# Altium PCB IK-1.PCBDOC (continued)
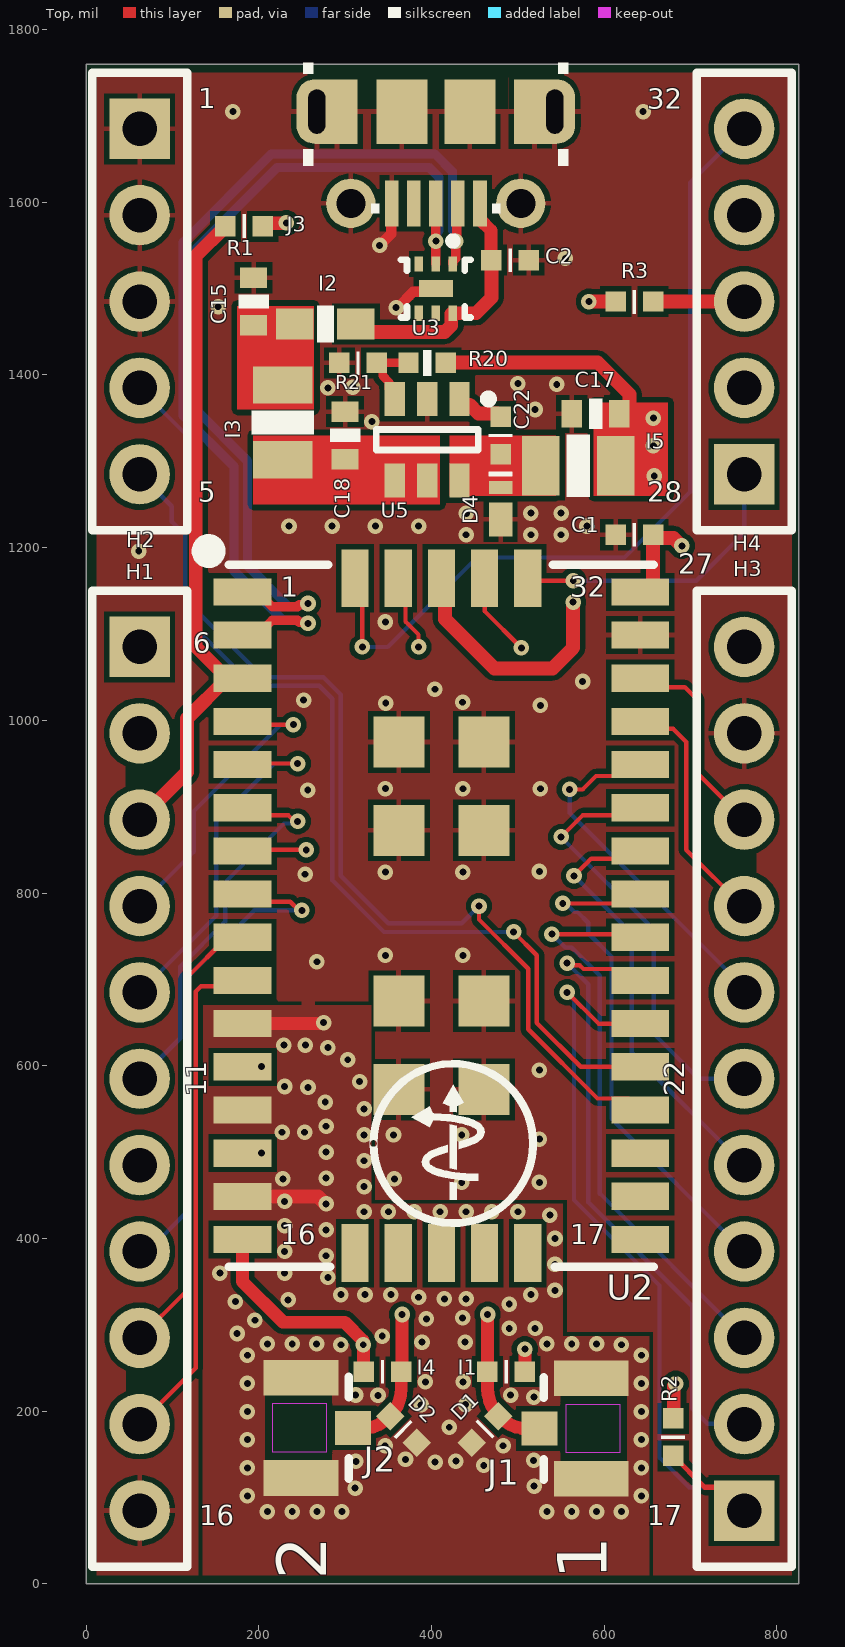
[diagram p0: Top view]
## Part data
C1 C2: "CAP CER .10UF 50V X7R 10% 0402", Capacitance=0.1µF, Manufacturer="TDK Corporation", Manufacturer Part Number=C1005X7R1H104K, Operating Temperature="-55°C ~ 125°C", Package / Case="0402 (1005 Metric)", Ratings=-, Supplier Part Number 1=445-5932-1-ND, Temperature Coefficient=X7R, Tolerance=±10%, Voltage - Rated=50V, Applications="General Purpose", Category=Capacitors, ComponentLink1Description=http://www.tdk.co.jp/tefe02/e412_c.pdf, ComponentLink1URL=http://www.tdk.co.jp/tefe02/e412_c.pdf, Features=-, Height=-, LatestRevisionDate=17-Jul-2002, LatestRevisionNote="Re-released for DXP Platform.", Lead Spacing=-, Lead Style=-, Mounting Type="Surface Mount, MLCC", Packaging="Cut Tape (CT)", Pricing 1="1=0.3, 10=0.2, 100=0.08, 250=0.05752, 500=0.041, 1000=0.03 (USD)", Published=8-Jun-2000, Publisher="Altium Limited", RoHS="RoHS Compliant", Size / Dimension="0.039\" L x 0.020\" W (1.00mm x 0.50mm)", Stock 1=174080, Supplier 1=Digi-Key, Thickness="0.022\" (0.55mm)"
C15 C18: "CAP CER 2.2UF 25V X6S 0603", Capacitance=2.2uF, Case Code (Imperial)=0603, Case Code (Metric)=1608, Dielectric=X6S, Manufacturer=Murata, Manufacturer Part Number=GRT188C81E225KE13D, Max Operating Temperature=105°C, Min Operating Temperature=-55°C, Supplier Part Number 1=490-12293-6-ND, Tolerance=10%, Voltage Rating=25V, Case/Package=0603, Category=Capacitors, ComponentLink1Description=http://www.farnell.com/datasheets/2165949.pdf, ComponentLink1URL=http://www.farnell.com/datasheets/2165949.pdf, ComponentLink2Description=http://search.murata.co.jp/Ceramy/image/img/A01X/G101/ENG/GRT188C81E225KE13-01.pdf, ComponentLink2URL=http://search.murata.co.jp/Ceramy/image/img/A01X/G101/ENG/GRT188C81E225KE13-01.pdf, LatestRevisionDate=17-Jul-2002, LatestRevisionNote="Re-released for DXP Platform.", Length=0.063inch, Mount="Surface Mount", Packaging="Tape and Reel", Pricing 1="1=0.35, 10=0.239, 100=0.1355, 500=0.09564, 1000=0.08369 (USD)", Published=8-Jun-2000, Publisher="Altium Limited", Stock 1=16854, Supplier 1=Digi-Key, Thickness=0.035inch, Voltage Rating (DC)=25V, Width=0.031inch
C17: "CAP CER 22UF 6.3V X6S 0603", Capacitance=22uF, Case Code (Imperial)=0603, Case Code (Metric)=1608, Dielectric=X6S, Manufacturer=Murata, Manufacturer Part Number=GRM188C80J226ME15D, Max Operating Temperature=105°C, Min Operating Temperature=-55°C, Package Quantity=4000, Supplier Part Number 1=490-10471-6-ND, Tolerance=20%, Voltage Rating=6.3V, Case/Package=0603, Category=Capacitors, ComponentLink1Description=http://www.mouser.com/ds/2/281/c02e-2905.pdf, ComponentLink1URL=http://www.mouser.com/ds/2/281/c02e-2905.pdf, ComponentLink2Description=http://search.murata.co.jp/Ceramy/image/img/A01X/partnumbering_e_01.pdf, ComponentLink2URL=http://search.murata.co.jp/Ceramy/image/img/A01X/partnumbering_e_01.pdf, Height=0.8mm, LatestRevisionDate=17-Jul-2002, LatestRevisionNote="Re-released for DXP Platform.", Lead Free="Lead Free", Length=0.063inch, Mount="Surface Mount", Packaging="Tape and Reel", Pricing 1="1=0.25, 10=0.168, 100=0.0955, 500=0.0674, 1000=0.05897 (USD)", Published=8-Jun-2000, Publisher="Altium Limited", Stock 1=0, Supplier 1=Digi-Key, Termination=SMD/SMT, Thickness=0.039inch, Voltage Rating (DC)=6.3V, Weight=0.000222oz, Width=0.8mm
C22: "CAP CER 0.1UF 50V X7R 0402", Capacitance=0.1uF, Case Code (Imperial)=0402, Case Code (Metric)=1005, Dielectric=X7R, Manufacturer=TDK, Manufacturer Part Number=CGA2B3X7R1H104K050BB, Max Operating Temperature=125°C, Min Operating Temperature=-55°C, Package Quantity=1, Ratings=AEC-Q200, Supplier Part Number 1=445-6899-1-ND, Tolerance=10%, Voltage=50V, Case/Package=0402, Category=Capacitors, ComponentLink1Description=https://datasheet.ciiva.com/16498/mlccspec-automotive-general-midvoltage-en-16498528.pdf?src-supplier=Future+Electronics, ComponentLink1URL=https://datasheet.ciiva.com/16498/mlccspec-automotive-general-midvoltage-en-16498528.pdf?src-supplier=Future+Electronics, ComponentLink2Description=https://datasheet.ciiva.com/24216/cga2b3x7r1h104k050bb-266281-24216070.pdf?src-supplier=Mouser, ComponentLink2URL=https://datasheet.ciiva.com/24216/cga2b3x7r1h104k050bb-266281-24216070.pdf?src-supplier=Mouser, ComponentLink3Description=https://datasheet.ciiva.com/7975/1788388-7975306.pdf?src-supplier=Element14, ComponentLink3URL=https://datasheet.ciiva.com/7975/1788388-7975306.pdf?src-supplier=Element14, ComponentLink4Description=https://datasheet.ciiva.com/22703/1807242-22703013.pdf?src-supplier=Element14, ComponentLink4URL=https://datasheet.ciiva.com/22703/1807242-22703013.pdf?src-supplier=Element14, ComponentLink5Description=https://datasheet.ciiva.com/22725/1735392-22725627.pdf?src-supplier=Element14, ComponentLink5URL=https://datasheet.ciiva.com/22725/1735392-22725627.pdf?src-supplier=Element14, Composition=Ceramic, Depth=0.5mm, Height=0.5mm, LatestRevisionDate=17-Jul-2002, LatestRevisionNote="Re-released for DXP Platform.", Lead Free="Lead Free", Length=1mm, Mount="Surface Mount", Packaging="Tape and Reel", Pricing 1="1=0.16000, 10=0.11700, 100=0.05500, 500=0.03858, 1000=0.03194, 2500=0.02973, 5000=0.02720 (USD)", Published=8-Jun-2000, Publisher="Altium Limited", REACH SVHC="No SVHC", RoHS=Yes, Stock 1=12402793, Supplier 1=Digi-Key, Termination=SMD/SMT, Thickness=0.022inch, Voltage Rating=50V, Voltage Rating (DC)=50V, Weight=2.3E-05oz, Width=0.02inch
D1 D2: "LITTELFUSE - PESD0402-140 - DIODE, ESD PROTECTION, 0402, FULL REEL", Case/Package=0402, Clamping Voltage=40V, Manufacturer=Littelfuse, Manufacturer Part Number=PESD0402-140, Max Operating Temperature=125°C, Min Operating Temperature=-55°C, Operating Supply Voltage=14V, Power Line Protection=No, Resistor Type=Zener, Supplier Part Number 1=PESD0402-140CT-ND, Category="TVS Diodes", ComponentLink1Description=https://datasheet.ciiva.com/58684/-58684341.pdf?src-supplier=Digi-Key, ComponentLink1URL=https://datasheet.ciiva.com/58684/-58684341.pdf?src-supplier=Digi-Key, Direction=Bidirectional, Lead Free="Lead Free", Mount="Surface Mount", Number of Bidirectional Channels=1, Number of Pins=2, Packaging="Tape and Reel", Pricing 1="1=0.40000, 10=0.32100, 100=0.22900, 500=0.17400, 1000=0.13737, 2000=0.13279, 5000=0.12821 (USD)", REACH SVHC=Unknown, Reverse Standoff Voltage=14V, RoHS=No, Stock 1=211482, Supplier 1=Digi-Key, Turn-On Delay Time=1ns, Working Voltage=14V
D4: "DIODE SCHOTTKY 30V 2A 0603", Manufacturer=Vishay, Manufacturer Part Number=VSKY20301608-G4-08, Supplier Part Number 1=VSKY20301608-G4-08GICT-ND, ComponentLink1Description=http://www.mouser.com/ds/2/427/vsky20301608-777242.pdf, ComponentLink1URL=http://www.mouser.com/ds/2/427/vsky20301608-777242.pdf, Pricing 1="1=0.38, 10=0.305, 25=0.2792, 100=0.2076, 250=0.1882, 500=0.15574, 1000=0.1168, 2500=0.10707 (USD)", Stock 1=13064, Supplier 1=Digi-Key
H1 H3: "11 pin header"
H2 H4: "5 pin header"
I1 I4: "Inductor RF Chip Wirewound 120nH 5% 100MHz 20Q-Factor 110mA 2.66Ohm DCR 0402 Paper T/R", Case Code (Imperial)=0402, Case Code (Metric)=1005, Current Rating=110mA, DC Resistance (DCR)=2.66R, Inductance=120nH, Inductance Tolerance=5%, Manufacturer=Murata, Manufacturer Part Number=LQW15ANR12J00D, Max Operating Temperature=125°C, Min Operating Temperature=-55°C, Package Quantity=10000, Self Resonant Frequency=1GHz, Supplier Part Number 1=490-4091-1-ND, Test Frequency=100MHz, Case/Package=0402, Category="Fixed Inductors", ComponentLink1Description=http://search.murata.co.jp/Ceramy/image/img/PDF/ENG/L0075S0083LQG15HS.pdf, ComponentLink1URL=http://search.murata.co.jp/Ceramy/image/img/PDF/ENG/L0075S0083LQG15HS.pdf, ComponentLink2Description=https://datasheet.ciiva.com/11799/0900766b8090d800-11799096.pdf?src-supplier=RSComponents, ComponentLink2URL=https://datasheet.ciiva.com/11799/0900766b8090d800-11799096.pdf?src-supplier=RSComponents, ComponentLink3Description=https://datasheet.ciiva.com/1042/l0075s0080lqw15a-00-1042180.pdf?src-supplier=Digi-Key, ComponentLink3URL=https://datasheet.ciiva.com/1042/l0075s0080lqw15a-00-1042180.pdf?src-supplier=Digi-Key, ComponentLink4Description=https://datasheet.ciiva.com/1042/l0075s0080lqw15a-00-1042181.pdf?src-supplier=Digi-Key, ComponentLink4URL=https://datasheet.ciiva.com/1042/l0075s0080lqw15a-00-1042181.pdf?src-supplier=Digi-Key, ComponentLink5Description=https://datasheet.ciiva.com/1042/l0075s0080lqw15a-00-1042182.pdf?src-supplier=Digi-Key, ComponentLink5URL=https://datasheet.ciiva.com/1042/l0075s0080lqw15a-00-1042182.pdf?src-supplier=Digi-Key, ComponentLink6Description=https://datasheet.ciiva.com/16207/l0075s0080lqw15a-00-16207819.pdf?src-supplier=Future+Electronics, ComponentLink6URL=https://datasheet.ciiva.com/16207/l0075s0080lqw15a-00-16207819.pdf?src-supplier=Future+Electronics, ComponentLink7Description=https://datasheet.ciiva.com/8506/l0075s0080lqw15a-00-8506030.pdf?src-supplier=Avnet, ComponentLink7URL=https://datasheet.ciiva.com/8506/l0075s0080lqw15a-00-8506030.pdf?src-supplier=Avnet, Core Material=Air,Ferrite, DC Current=110mA, Depth=0.6mm, Height=0.5mm, Lead Free="Lead Free", Length=1mm, Max DC Current=110mA, Military Standard=Not, Mount="Surface Mount", Number of Pins=2, Packaging="Tape and Reel", Pricing 1="1=0.15000, 10=0.13500, 25=0.12000, 50=0.10200, 100=0.09000, 250=0.08252, 500=0.07500, 1000=0.06300, 2500=0.05400 (USD)", Radiation Hardening=No, REACH SVHC="No SVHC", RoHS=Yes, Shielding=Unshielded, Stock 1=2053, Supplier 1=Digi-Key, Termination=SMD/SMT, Tolerance=5%, Weight=2.8E-05oz, Width=0.02inch
I2: "FERRITE CHIP 220 OHM 2500MA 0603", Current Rating=2.5A, DC Resistance (DCR)="40 mOhm Max", Impedance @ Frequency="220 Ohm @ 100MHz", Manufacturer="Murata Electronics North America", Manufacturer Part Number=BLM18SG221TN1D, Package / Case="0603 (1608 Metric)", Supplier Part Number 1=490-5225-1-ND, Category=Filters, ComponentLink1Description=http://search.murata.co.jp/Ceramy/image/img/PDF/ENG/L0110S0100BLM18S.pdf, ComponentLink1URL=http://search.murata.co.jp/Ceramy/image/img/PDF/ENG/L0110S0100BLM18S.pdf, Filter Type="Differential Mode - Single", Height (Max)="0.037\" (0.95mm)", Mounting Type="Surface Mount", Packaging="Cut Tape (CT)", Pricing 1="1=0.14, 10=0.116, 50=0.075, 100=0.0646, 250=0.05172, 500=0.04654, 1000=0.03878, 5000=0.03619 (USD)", RoHS="RoHS Compliant", Size / Dimension="0.063\" L x 0.031\" W (1.60mm x 0.80mm)", Stock 1=146728, Supplier 1=Digi-Key
I3 I5: "FIXED IND 2.2UH 1.2A 110 MOHM", Case Code (Imperial)=0806, Case Code (Metric)=2016, Current Rating=1.2A, DC Resistance (DCR)=137.5mR, Inductance=2.2uh, Manufacturer=TDK, Manufacturer Part Number=MLP2016H2R2MT0S1, Max Operating Temperature=125°C, Min Operating Temperature=-40°C, Package Quantity=3000, Supplier Part Number 1=445-15724-6-ND, Test Frequency=2MHz, Tolerance=20%, Case/Package=0806, ComponentLink1Description=https://datasheet.ciiva.com/29697/inductor-commercial-power-mlp-en-29697725.pdf, ComponentLink1URL=https://datasheet.ciiva.com/29697/inductor-commercial-power-mlp-en-29697725.pdf, ComponentLink2Description=https://datasheet.ciiva.com/29697/inductor-commercial-power-mlp-en-29697726.pdf, ComponentLink2URL=https://datasheet.ciiva.com/29697/inductor-commercial-power-mlp-en-29697726.pdf, Core Material=Ferrite, Height - Seated (Max)=0.039inch, Lead Free="Lead Free", Length=0.079inch, Mount="Surface Mount", Packaging="Tape and Reel", Pricing 1="1=0.38, 10=0.335, 100=0.2302, 500=0.19674, 1000=0.1507 (USD)", Shielding=Unshielded, Stock 1=14048, Supplier 1=Digi-Key, Width=0.063inch
J1 J2: "CONN UMC RCPT STR 50 OHM SMD", Dielectric Material=-, Frequency - Max=6GHz, Housing Color=Gold, Manufacturer="Emerson Network Power Connectivity Johnson", Manufacturer Part Number=128-0711-201, Operating Temperature="-40°C ~ 90°C", Supplier Part Number 1=J983CT-ND, Voltage Rating=200V, Body Finish=Gold, Body Material=-, Cable Group=-, Category="Connectors, Interconnects", Center Contact Material=-, Center Contact Plating=Gold, ComponentLink1Description=http://media.digikey.com/pdf/Data%20Sheets/Emerson%20PDFs/UMC%20Product%20Catalog.pdf, ComponentLink1URL=http://media.digikey.com/pdf/Data%20Sheets/Emerson%20PDFs/UMC%20Product%20Catalog.pdf, Connector Style="Ultra Miniature Coaxial", Connector Type="Receptacle, Male Pins", Contact Termination=Solder, Fastening Type=Snap-On, Features=-, Impedance="50 Ohm", Ingress Protection=-, Mounting Type="Surface Mount", Packaging="Cut Tape (CT)", Pricing 1="1=0.93, 10=0.832, 50=0.784, 100=0.672, 250=0.576, 500=0.544, 750=0.48, 1000=0.448 (USD)", RoHS="RoHS Compliant", Shield Termination=Solder, Stock 1=1514, Supplier 1=Digi-Key
J3: "CONN USB AB 4POS", Colour=Black, Current Rating=1.8A, Flammability Rating="UL94 V-0", Insulation Resistance=1GR, Manufacturer="Amphenol FCI", Manufacturer Part Number=10118194-0001LF, Max Operating Temperature=85°C, Max Voltage Rating (AC)=100V, Min Operating Temperature=-55°C, Package Quantity=9600, Supplier Part Number 1=609-4618-1-ND, ComponentLink1Description=https://datasheet.ciiva.com/851/10118194-851110.pdf, ComponentLink1URL=https://datasheet.ciiva.com/851/10118194-851110.pdf, ComponentLink2Description=https://datasheet.ciiva.com/851/10118194-851111.pdf, ComponentLink2URL=https://datasheet.ciiva.com/851/10118194-851111.pdf, ComponentLink3Description=https://datasheet.ciiva.com/4598/10118194ac-197217-4598807.pdf, ComponentLink3URL=https://datasheet.ciiva.com/4598/10118194ac-197217-4598807.pdf, ComponentLink4Description=https://datasheet.ciiva.com/29907/10118194-29907230.pdf, ComponentLink4URL=https://datasheet.ciiva.com/29907/10118194-29907230.pdf, ComponentLink5Description=https://datasheet.ciiva.com/26945/getdatasheetpartid-418619-26945695.pdf, ComponentLink5URL=https://datasheet.ciiva.com/26945/getdatasheetpartid-418619-26945695.pdf, Connector Type=USB,Receptacle, Contact Material="Copper Alloy", Contact Plating=Gold, Depth=5mm, Features=Shielded, Gender=Receptacle, Housing Material=Polymer, Lead Free="Lead Free", Length=8.05mm, Mount="Surface Mount,Horizontal", Number of Contacts=5, Number of Ports=1, Number of Terminals=5, Orientation="Right Angle", Packaging="Tape and Reel", Pitch=0.65mm, Pricing 1="1=0.48, 10=0.447, 25=0.402, 50=0.3574, 100=0.3424, 250=0.31264, 500=0.29776 (USD)", Radiation Hardening=No, Stock 1=77572, Supplier 1=Digi-Key, Termination=Solder
R1 R3: "1 kOhms ¡À1% 0.063W, 1/16W Chip Resistor 0402 (1005 Metric) Moisture Resistant Thick Film", Case Code (Imperial)=0402, Case Code (Metric)=1005, Manufacturer=Yageo, Manufacturer Part Number=RC0402FR-071KL, Max Operating Temperature=155°C, Max Power Dissipation=63mW, Min Operating Temperature=-55°C, Power Rating=62.5mW, Resistance Tolerance=1%, Resistor Type="Thick Film", Supplier Part Number=311-1.00KLRTR-ND, Temperature Coefficient=100ppm/°C, Voltage Rating=50V, Case/Package=0402, Category="Chip SMD Resistors", ComponentLink1Description=https://datasheet.ciiva.com/11819/0900766b80c66297-11819477.pdf?src-supplier=Rs, ComponentLink1URL=https://datasheet.ciiva.com/11819/0900766b80c66297-11819477.pdf?src-supplier=Rs, ComponentLink2Description=https://datasheet.ciiva.com/7983/1018594-7983502.pdf?src-supplier=Element14, ComponentLink2URL=https://datasheet.ciiva.com/7983/1018594-7983502.pdf?src-supplier=Element14, ComponentLink3Description=https://datasheet.ciiva.com/22747/1018594-22747513.pdf?src-supplier=Element14, ComponentLink3URL=https://datasheet.ciiva.com/22747/1018594-22747513.pdf?src-supplier=Element14, ComponentLink4Description=https://datasheet.ciiva.com/12666/pyu-rc0402-51-rohs-l-6-r-12666741.pdf?src-supplier=Mouser, ComponentLink4URL=https://datasheet.ciiva.com/12666/pyu-rc0402-51-rohs-l-6-r-12666741.pdf?src-supplier=Mouser, ComponentLink5Description=https://datasheet.ciiva.com/7849/1018594-7849869.pdf?src-supplier=Element14, ComponentLink5URL=https://datasheet.ciiva.com/7849/1018594-7849869.pdf?src-supplier=Element14, ComponentLink6Description=https://datasheet.ciiva.com/7849/1018594-7849871.pdf?src-supplier=Element14, ComponentLink6URL=https://datasheet.ciiva.com/7849/1018594-7849871.pdf?src-supplier=Element14, ComponentLink7Description=https://datasheet.ciiva.com/17063/pyu-rc0402-51-rohs-l-6-r-17063193.pdf?src-supplier=Future+Electronics, ComponentLink7URL=https://datasheet.ciiva.com/17063/pyu-rc0402-51-rohs-l-6-r-17063193.pdf?src-supplier=Future+Electronics, Construction=Rectangular, Depth=0.5mm, Features="Moisture Resistant", Height=0.32mm, Lead Free="Lead Free", Length=1mm, Military Standard=Not, Number of Terminations=2, Packaging="Tape and Reel", Pins=2, Pricing="10000=0.00261, 20000=0.00231, 30000=0.00216, 50000=0.00199, 100000=0.00179 (USD)", Reach SVHC Compliant=No, RoHS=Yes, RoHS Compliant=Yes, Series=RC, Stock=29757748, Supplier=Digi-Key, Technology="THICK FILM", Termination=SMD/SMT, Tolerance=1%, Voltage Rating (DC)=50V, Width=0.5mm
R2: "1 kOhms ¡À1% 0.063W, 1/16W Chip Resistor 0402 (1005 Metric) Moisture Resistant Thick Film", Case Code (Imperial)=0402, Case Code (Metric)=1005, Manufacturer="Stackpole Electronics", Manufacturer Part Number=RMCF0402FT10K0, Max Operating Temperature=155°C, Max Power Dissipation=63mW, Min Operating Temperature=-55°C, Power Rating=62.5mW, Resistance Tolerance=1%, Resistor Type="Thick Film", Supplier Part Number=RMCF0402FT10K0TR-ND, Temperature Coefficient=100ppm/°C, Voltage Rating=50V, Case/Package=0402, Category="Chip SMD Resistors", ComponentLink1Description=https://datasheet.ciiva.com/11819/0900766b80c66297-11819477.pdf?src-supplier=Rs, ComponentLink1URL=https://datasheet.ciiva.com/11819/0900766b80c66297-11819477.pdf?src-supplier=Rs, ComponentLink2Description=https://datasheet.ciiva.com/7983/1018594-7983502.pdf?src-supplier=Element14, ComponentLink2URL=https://datasheet.ciiva.com/7983/1018594-7983502.pdf?src-supplier=Element14, ComponentLink3Description=https://datasheet.ciiva.com/22747/1018594-22747513.pdf?src-supplier=Element14, ComponentLink3URL=https://datasheet.ciiva.com/22747/1018594-22747513.pdf?src-supplier=Element14, ComponentLink4Description=https://datasheet.ciiva.com/12666/pyu-rc0402-51-rohs-l-6-r-12666741.pdf?src-supplier=Mouser, ComponentLink4URL=https://datasheet.ciiva.com/12666/pyu-rc0402-51-rohs-l-6-r-12666741.pdf?src-supplier=Mouser, ComponentLink5Description=https://datasheet.ciiva.com/7849/1018594-7849869.pdf?src-supplier=Element14, ComponentLink5URL=https://datasheet.ciiva.com/7849/1018594-7849869.pdf?src-supplier=Element14, ComponentLink6Description=https://datasheet.ciiva.com/7849/1018594-7849871.pdf?src-supplier=Element14, ComponentLink6URL=https://datasheet.ciiva.com/7849/1018594-7849871.pdf?src-supplier=Element14, ComponentLink7Description=https://datasheet.ciiva.com/17063/pyu-rc0402-51-rohs-l-6-r-17063193.pdf?src-supplier=Future+Electronics, ComponentLink7URL=https://datasheet.ciiva.com/17063/pyu-rc0402-51-rohs-l-6-r-17063193.pdf?src-supplier=Future+Electronics, Construction=Rectangular, Depth=0.5mm, Features="Moisture Resistant", Height=0.32mm, Lead Free="Lead Free", Length=1mm, Military Standard=Not, Number of Terminations=2, Packaging="Tape and Reel", Pins=2, Pricing="10000=0.00261, 20000=0.00231, 30000=0.00216, 50000=0.00199, 100000=0.00179 (USD)", Reach SVHC Compliant=No, RoHS=Yes, RoHS Compliant=Yes, Series=RC, Stock=29757748, Supplier=Digi-Key, Technology="THICK FILM", Termination=SMD/SMT, Tolerance=1%, Voltage Rating (DC)=50V, Width=0.5mm
R20: "RES TF 30.9K OHM 1% 1/16W 0402", Manufacturer="Stackpole Electronics Inc", Manufacturer Part Number=RMCF0402FT30K9, Package / Case="0402 (1005 Metric)", Power (Watts)="0.063W, 1/16W", Resistance (Ohms)=30.9K, Supplier Part Number 1=RMCF0402FT30K9CT-ND, Temperature Coefficient=±100ppm/°C, Tolerance=±1%, Category=Resistors, ComponentLink1Description=http://www.seielect.com/Catalog/SEI-RMCF.pdf, ComponentLink1URL=http://www.seielect.com/Catalog/SEI-RMCF.pdf, Composition="Thick Film", Features=-, Height="0.016\" (0.40mm)", LatestRevisionDate=2-Dec-2009, Number of Terminations=2, Packaging="Cut Tape (CT)", Pricing 1="1=0.04, 10=0.025, 50=0.0138, 100=0.0105, 250=0.0078, 500=0.00576, 1000=0.00384 (USD)", RoHS="RoHS Compliant", Size / Dimension="0.039\" L x 0.020\" W (1.00mm x 0.50mm)", Stock 1=6328, Supplier 1=Digi-Key
R21: "RES 10.0K OHM 1/16W 1% 0402 SMD", Manufacturer=Yageo, Manufacturer Part Number=RC0402FR-0710KL, Package / Case="0402 (1005 Metric)", Power (Watts)="0.063W, 1/16W", Resistance (Ohms)=10K, Supplier Part Number 1=311-10.0KLRCT-ND, Temperature Coefficient=±100ppm/°C, Tolerance=±1%, Category=Resistors, ComponentLink1Description=http://www.yageo.com/documents/recent/PYu-RC0402_51_RoHS_L_6.pdf, ComponentLink1URL=http://www.yageo.com/documents/recent/PYu-RC0402_51_RoHS_L_6.pdf, Composition="Thick Film", Features=-, Height="0.014\" (0.35mm)", LatestRevisionDate=2-Dec-2009, Number of Terminations=2, Packaging="Cut Tape (CT)", Pricing 1="10=0.014, 50=0.0104, 100=0.0079, 250=0.00584, 500=0.00432, 1000=0.00288 (USD)", RoHS="RoHS Compliant", Size / Dimension="0.039\" L x 0.020\" W (1.00mm x 0.50mm)", Stock 1=5597980, Supplier 1=Digi-Key
U2: library part IS-GPX-1.0, "Inertial Sense GPX", Manufacturer="Inertial Sense", Manufacturer Part Number=IS-GPX-1, Supplier 1="Inertial Sense", Supplier Part Number 1=IS-GPX-1
U3: "ESD SUPPRESS 5.5V 36W 3-Line USB", Breakdown Voltage="6.5 V", Capacitance="0.7 pF", Clamping Voltage="18 V", Manufacturer="Vishay Semiconductors", Manufacturer Part Number=VBUS053AZ-HAF-GS08, Operating Temperature Range="- 40 C to + 125 C", Operating Voltage="5.5 V (Min)", Package / Case=LLP-75, Supplier Part Number 1=78-VBUS053AZ-HAF, Category="ESD Suppressors", ComponentLink1Description=http://www.vishay.com/docs/81845/vbus053a.pdf, ComponentLink1URL=http://www.vishay.com/docs/81845/vbus053a.pdf, Minimum Order Quantity=1, Packaging=Reel, Pricing 1="1=1.04, 10=0.918, 50=0.805, 100=0.689, 500=0.574, 1000=0.446, 3000=0.366, 9000=0.335 (AUD)", Product Category="Transient Voltage Suppressors", Reeling=True, RoHS="RoHS Compliant", RoHS - Mouser=Y, Series=VBUS053AZ-HAF, Stock 1=8176, Supplier 1=Mouser
U5: "IC BUCK ADJ 1.2A 6TSOT", Current - Output=1.2A, Frequency - Switching=1.4MHz, Manufacturer="Analog Devices Inc", Manufacturer Part Number=ADP2301AUJZ-R7, Operating Temperature="-40°C ~ 125°C", Package / Case="SOT-23-6 Thin, TSOT-23-6", Supplier Device Package=TSOT-6, Supplier Part Number 1=ADP2301AUJZ-R7CT-ND, Voltage - Input="3 V ~ 20 V", Voltage - Output="0.8 V ~ 17 V", Category="Integrated Circuits (ICs)", ComponentLink1Description=http://www.analog.com/static/imported-files/data_sheets/ADP2300_2301.pdf, ComponentLink1URL=http://www.analog.com/static/imported-files/data_sheets/ADP2300_2301.pdf, Mounting Type="Surface Mount", Number of Outputs=1, Output Type=Adjustable, Packaging="Cut Tape (CT)", Pricing 1="1=3.06, 25=2.4992, 100=2.244, 250=2.04, 500=1.785, 1000=1.53 (USD)", PWM Type="Current Mode", RoHS="RoHS Compliant", Stock 1=6699, Supplier 1=Digi-Key, Synchronous Rectifier=No, Type="Step-Down (Buck)"

## Via types
v1: diameter 18, hole 8, Top to Bottom, 190 vias

## Nets (pads, with @x,y where several pads share a name; then routed paths per layer and width w, separated by ;. In a path a pad name is that pad's centre, name@x,y a point inside that pad or via, vN(x,y) a via of type N, cw(c..) or ccw(c..) an arc to the next point about the centre after c; other vN are vias at no path point)
+3.3V: C1.1 C17.1 H3.11 I5.2 R1.1 R2.1 R3.1 R20.2 U2.32 | length 476
  Top w16: R1.1 208.27,1575.62 231.62,1575.62 v1(232,1576) ; R20.2@413.1,1414.5 592.5,1414.5 629.37,1377.63 629.37,1350 ; v1(582.28,1485) R3.1 ; U2.32 648.91,1148.82 656.65,1156.57 C1.1 660.46,1211.19 680.27,1211.19 689.46,1202 v1(690,1202) ; R2.1 680,194.85 680.62,195.46 680.62,229.08 683,231.46 v1(683,232)
  other v1: 658,1283 657,1318 657,1350
FB: R20.1 R21.2 U5.3 | length 81.7
  Top w10: R21.2 R20.1 ; R21.2@337.65,1414 343.46,1408.19 343.46,1398.97 350.79,1391.64 350.79,1384.06 U5.3@357.6,1377.24
G1/Rx2/RxCAN/SCL: H1.4 U2.4 | length 352.9
  Top w5: U2.4 185,995 v1(240,995)
  Bottom w5: H1.4 125,848 125,895 225,995 v1(240,995)
G2/Tx2TxCAN/SDA: H1.5 U2.5 | length 421
  Top w5: U2.5 182.36,950 v1(245,950)
  Bottom w5: H1.5 150.88,773.88 150.88,883.07 217.81,950 v1(245,950)
G3/Tx0: H3.8 U2.29 | length 282
  Top w5: U2.29 650.48,990.15 679.85,990.15 695,975 695,850 760,785 H3.8
G4/Rx0: H3.7 U2.28 | length 412.4
  Top w5: v1(560,920) 575,920 590.57,935.57 628.56,935.57 U2.28
  Bottom w5: v1(560,920) 560,892.67 762,690.67 H3.7
G5/SCLK: H1.9 U2.9 | length 523.6
  Top w5: H1.9 115,338 115,700.35 163.46,748.82 U2.9
G6/Rx1/MOSI: H1.6 U2.6 | length 452
  Top w5: U2.6 190,890 234.48,890 241.48,883 v1(245,883)
  Bottom w5: H1.6 109,632 109,715 161,767 161,812.38 229.14,880.51 242.51,880.51 v1(245,883)
G7/Tx1/MISO: H1.7 U2.7 | length 549.7
  Top w5: U2.7 182.36,850 v1(255,850)
  Top w8: U2.7@155,845 158.82,848.82 U2.7
  Mid1-Ver w5: H1.7 66.52,485 117,535.48 117,712 v1(255,850)
G8/C\S\: H1.8 U2.8 | length 587.2
  Top w5: U2.8 190,790 236.48,790 246.48,780 v1(250,780)
  Bottom w5: H1.8 70.98,385 119,433.02 119,704.35 194.65,780 v1(250,780)
G9/S\P\I\_\E\N\: H1.10 U2.10 | length 587.4
  Top w5: H1.10 127,250 127,686 133.16,692.16 174.52,692.16 U2.10
G10: H3.6 U2.27 | length 504.5
  Top w5: v1(550,865) 575,890 632.99,890 U2.27
  Bottom w5: v1(550,865) 657.56,757.44 657.56,636.78 709.33,585 H3.6
G11/SWDIO: H3.5 U2.26 | length 505.3
  Top w5: v1(565,820) 584.94,839.94 632.93,839.94 U2.26
  Bottom w5: v1(565,820) 631.82,753.18 631.82,615.18 H3.5
G12/SWO: H3.4 U2.25 | length 588.4
  Top w5: v1(552,788) 630.99,788 U2.25
  Bottom w5: v1(552,788) 555.46,788 565.4,778.06 568.94,778.06 581.46,765.54 581.46,753.54 608.35,726.65 608.35,538.66 H3.4
G13/DRDY: H3.3 U2.24 | length 668
  Top w5: v1(539.36,752.44) 638.19,752.44 U2.24
  Bottom w5: v1(539.36,752.44) 554.91,736.9 562.44,736.9 595,704.33 595,452 H3.3
G16/QDEC0.A: H4.1 U2.38 | length 342.6
  Top w5: U2.38 514.4,1161.67 v1(564.17,1161.67)
  Bottom w5: v1(564.17,1161.67) 706.67,1161.67 762,1217 H4.1
G17/QDEC0.B: H4.2 U2.39 | length 588.1
  Top w5: U2.39 461.5,1126.5 v1(504,1084)
  Mid1-Ver w5: v1(504,1084) 644,1084 715,1155 715,1338 H4.2
G18/QDEC1.A: H4.4 U2.41 | length 809.9
  Top w5: U2.41 369.92,1156.14 369.92,1114.39 385,1099.31 v1(385,1085)
  Mid1-Ver w5: v1(385,1085) 462.62,1085 557.93,1180.32 590.32,1180.32 684,1274 684,1479 750.95,1545.95 750.95,1573.95 H4.4
G19/QDEC1.B: H4.5 U2.42 | length 990.3
  Top w5: U2.42 320,1156.06 v1(320,1085)
  Mid1-Ver w5: H4.5@757.04,1680.04 H4.5
  Bottom w5: v1(320,1085) 349.27,1085 452.85,1188.58 623.58,1188.58 699.5,1264.5 699.5,1622.5 H4.5
G20/LNA-EN: H2.4 U2.20 | length 1228.6
  Top w5: v1(455,785) 455,769.34 512,712.34 512,642.28 592.21,562.07 628.56,562.07 U2.20
  Bottom w5: H2.4 124.5,1322.5 124.5,1226.39 125,1225.89 125,1129.79 204.79,1050 275,1050 295,1030 295,820 350,765 435,765 v1(455,785)
GND: C1.2 C2.2 C15.2 C17.2 C18.2 D1.2 D2.2 D4.A H1.11 H2.1 H2.2 H2.3 H3.10 J1.2 J1.3 J2.2 J2.3 J3.5 J3.6 J3.7 J3.8 J3.9 R21.1 U2.0 U2.11 U2.13 U2.15 U2.31 U3.7 U5.2 | length 304.6
  Top w12: v1(340,1550) 353.31,1563.31 353.31,1598.19 J3.5 ; v1(359,1478) 360.62,1478 378.78,1496.16 401.16,1496.16 U3.7 ; U5.2@397.02,1383.82 U5.2@397.25,1384.06
  Top w14.88: U2.11 272.98,648.82 274.16,650 v1(275,650)
  Top w16: U2.15 268.64,448.82 277.46,440 v1(278,440)
  other v1: 210.05,83.74 238.79,83.74 267.53,83.74 296.27,83.74 533.7,83.74 562.44,83.74 591.18,83.74 619.92,83.74 186.85,101.85 643.12,101.85 311.63,110.91 518.74,113.19 186.85,134.45 643.12,134.45 460.47,137.21 404.17,141.14 312.44,141.93 428.19,142.32 518.35,143.11 369.92,144.29 346.3,160.04 482.91,160.04 186.85,167.05 643.12,167.05 420.58,181.48 186.85,199.65 643.12,199.65 388.03,207.28 439.61,207.68 518.53,216.36 338.03,218.31 312.05,218.78 491.57,218.7 186.85,232.24 643.12,232.24 393,234 436.61,234 186.85,264.84 643.12,264.84 295,277 620,277 210.05,277.93 238.79,277.93 267,278 533.7,277.93 562.44,277.93 591.18,277.93 389,280 439,280 343,287 175,290 490,296 520,296 195.39,305.39 394,307 436,308 490,324 173,327 234,329 415,330 440,330 385,332 295,335 323,335 353,335 515,335 543,340 280,355 155,360 230,360 543,370 278,380 230,385 543,400 278,410 230,415 537,427 322,431 350,431 380,431 410,431 440,431 470,431 500,431 230,443 322,460 435,465 525,465 228,469 357,469 278,470 322,490 278,500 525,515 322,520 356,520 435,520 227,523 253,523 278,530 322,550 277,558 257,575 230,576 316.8,581.75 525,595 303,607 280,621 229,624 254,624 267.21,720.44 346.7,727.88 436.43,727.82 253.7,821.79 346.7,824.39 436.43,824.33 525,825 256.71,919.15 346.7,920.9 436.43,920.85 526.17,920.85 526.17,1017.3 347,1020 436,1021 251.82,1023.5 404,1036 575,1045 346.7,1113.93 61,1196 440,1215 515,1215 550,1215 235,1225 285,1225 335,1225 385,1225 580,1225 440.44,1239.64 515,1240 550,1240 331,1346 520,1360 280,1385 309,1386 545,1389 500,1390 153,1479 555,1535 170,1705 645,1705
GNSS1_ANT: D1.1 I1.2 J1.1 U2.12 | length 690.3
  Top w14.88: U2.12 181.36,599 v1(203,599) ; v1(465,312) 464.89,311.89 464.89,245.91 464.98,245.82 464.98,226.73 ccw(c512.22,226.73) 512.22,179.48 J1.1@520.88,179.48
  Mid1-Ver w9.45: v1(203,599) 203.09,598.91 227.09,598.91 ; 227,599 227.09,598.91 ; 428.86,378.99 cw(c429.31,343.31) 465,343 v1(465,312) ; 428.86,379.56 336.34,379.56 cw(c335.89,415.25) 300.2,415.56 300.2,415.92 300.2,556.87 ccw(c258.72,557.51) 259,599 236,599 235.91,598.91 227.09,598.91
GNSS1_PPS: H3.9 U2.30 | length 237.6
  Top w5: U2.30 652.14,1038.5 693.18,1038.5 707,1024.67 707,940 H3.9
GNSS2_ANT: D2.1 I4.2 J2.1 U2.14 | length 484.2
  Top w14.88: J2.1@309.09,179.48 317.73,179.48 ccw(c317.73,226.73) 364.98,226.73 I4.2 366,245.63 v1(366,312)
  Mid1-Ver w9.45: v1(203,499) 217.84,499 cw(c214.29,458.54) 254.9,459.16 254.9,359.42 255,352.7 ccw(c296.48,353.35) 298,311.89 365.89,311.89 v1(366,312)
GNSS2_PPS: H2.5 U2.21 | length 1099.5
  Top w5: v1(495,755) 522,728 522,649.67 572.85,598.82 U2.21
  Bottom w5: H2.5 99.12,1247.89 99.12,1230.14 115,1214.25 115,1118.36 193.36,1040 270,1040 285,1025 285,815 345,755 v1(495,755)
NetC22_1: C22.1 U5.1 | length 62.8
  Top w16: U5.1@432.4,1377.24 432.4,1369.37 436.21,1365.56 444.09,1365.56 454.18,1355.46 476.19,1355.46 C22.1
nRESET: H3.1 R2.2 U2.22 | length 914.6
  Top w5: v1(557.04,685.09) 593.31,648.82 U2.22
  Top w6: R2.2 716.3,112.05 734.95,112.05 H3.1
  Bottom w5: v1(557.04,685.09) 557.04,683.63 565,675.67 565,444.52 664,345.52 664,146.25 698.2,112.05 734.95,112.05 H3.1
SW: C22.2 D4.C I5.1 U5.6
SWCLK: H3.2 U2.23 | length 736.7
  Top w5: v1(557,719) 559.49,716.51 571.56,716.51 576,712.07 628.56,712.07 U2.23
  Bottom w5: v1(557,719) 581.5,694.5 581.5,442.17 702,321.67 702,203 719.5,185.5 761.5,185.5 H3.2
USB.D_N: H1.2 J3.2 U2.2 U3.1 | length 2159.4
  Top w10.7: U2.2 198.9,1098.82 209.3,1109.22 209.3,1109.7 215.56,1115.97 233.28,1115.97 244.74,1115.97 247,1113.72 255.6,1113.72 v1(257,1112.32) ; U3.1 424.69,1531.62 428,1534.94 v1(428,1555) 429.3,1556.3 429.3,1597.41 J3.2
  Mid1-Ver w7: H1.2 62,998.42 92.58,1029 107.82,1029 119.94,1041.12 119.94,1549.94 214,1644 363.2,1644 371,1636.2 371,1561.03 386.31,1545.72 394.53,1537.5 412.25,1537.5 428,1553.25 v1(428,1555)
  Bottom w10.7: v1(257,1112.32) 255.6,1113.72 247,1113.72 244.74,1115.97 228.15,1115.97 171.23,1172.89 171.23,1293.95 112.4,1352.77 112.4,1553.61 214.8,1656 403.83,1656 424.35,1635.49 424.35,1567.26 426.6,1565 426.6,1556.4 v1(428,1555)
USB.D_P: H1.1 J3.3 U2.1 U3.2 | length 2044
  Top w10.7: U2.1 198.9,1148.82 209.3,1138.42 209.3,1137.94 215.56,1131.67 226.78,1131.67 244.74,1131.67 247,1133.92 255.6,1133.92 v1(257,1135.32) ; U3.2 v1(405,1555) J3.3
  Mid1-Ver w7: H1.1 90.9,1056.1 90.9,1045.1 95,1041 102.85,1041 107.94,1046.09 107.94,1554.91 209.03,1656 368.17,1656 383,1641.17 383,1566 392.71,1556.29 403.71,1556.29 v1(405,1555)
  Bottom w10.7: v1(257,1135.32) 255.6,1133.92 247,1133.92 244.74,1131.67 234.65,1131.67 186.93,1179.39 186.93,1300.45 128.1,1359.27 128.1,1547.1 221.3,1640.3 397.33,1640.3 408.65,1628.98 408.65,1567.26 406.4,1565 406.4,1556.4 v1(405,1555)
USB.VBUS: C2.1 I2.2 J3.1 U3.6 | length 295.1
  Top w15: J3.1@456.56,1594.25 456.56,1579.63 468.95,1567.24 C2.1@468.95,1533.35
  Top w16: I2.2@310.43,1455 315.83,1449.6 415.31,1449.6 422.92,1457.21 422.92,1470.6 423.78,1471.46 451.46,1471.46 469.37,1489.37 C2.1
VANT: I1.1 I4.1 U2.16 | length 478.7
  Top w10: v1(321,277) v1@321.32,276.68 ; I4.1@321.32,245.95 I4.1
  Top w15: U2.16 181.18,350 228.18,303 299.41,303 320.43,281.98 320.43,278.39 v1@321,277.81 ; I4.1@321.32,245.95 v1@321.32,276.68 ; I1.1 v1@508.11,271.06
  Mid1-Ver w15: v1(321,277) 340.5,257.5 493.73,257.5 v1(508.11,271.88)
VAUX: H4.3 R3.2 U2.40 | length 828.1
  Top w16: U2.40 415.54,1160.52 415.54,1117.46 473,1060 540,1060 564,1084 v1(564,1137) ; R3.2 H4.3
  Mid1-Ver w16: v1(564,1137) 564.38,1137.38 579.38,1137.38 699.5,1257.5 699.5,1422.5 H4.3
VBAT: H1.3 R1.2 U2.3 | length 776.1
  Top w16: H1.3 117,940 117,1002.36 U2.3@163.46,1048.82 ; R1.2 127,1537.65 127,1085.28 U2.3@163.46,1048.82 ; U2.3 U2.3@163.46,1048.82
VIN: C15.1 I2.1 I3.1
VIN_P: C18.1 I3.2 U5.4 U5.5
pads on no net: J3.4 U2.17 U2.18 U2.19 U2.33 U2.34 U2.35 U2.36 U2.37 U3.3 U3.4 U3.5

## Polygon pours and split planes (outlines as drawn)
GND on Top "GND_L01_P017" (solid, remove dead copper, pour order 17): 816.97,10 12.28,10 12.28,1750 817,1750
GND on Top "RF_GND_L-01_P-001" (solid, pour order 12): 330,670 330,440 552,440 552,287 652,287 652,10 135,10 135,670
+3.3V on Mid1-Ver "+3.3V_L03_P016" (solid, remove dead copper, pour order 16): 817,8.21 12.28,8.21 12.28,1750.1 817,1750.1
GND on Mid1-Ver "RF_GND_L-03_P-001" (solid, pour order 9): 330,670 330,440 552,440 552,287 652,287 652,10 135,10 135,670
GND on Bottom "GND_L04_P019" (solid, remove dead copper, pour order 19): 816.97,10 12.28,10 12.28,1750 817,1750
GND on GND Plane (split plane): 814.91,10.09 657.55,10.09 657.55,289 657.36,289.98 656.8,290.8 655.98,291.36 655,291.55 557.55,291.55 557.55,442 557.36,442.98 556.8,443.8 555.98,444.36 555,444.55 335.55,444.55 335.55,673 335.36,673.98 334.8,674.8 333.98,675.36 333,675.55 133,675.55 132.02,675.36 131.2,674.8 130.64,673.98 130.45,673 130.45,10.09 10.09,10.09 10.09,1749.91 814.91,1749.91
GND on GND Plane (split plane): 330.45,442 330.64,441.02 331.2,440.2 332.02,439.64 333,439.45 552.45,439.45 552.45,289 552.64,288.02 553.2,287.2 554.02,286.64 555,286.45 652.45,286.45 652.45,10.09 135.55,10.09 135.55,670.45 330.45,670.45

## Other copper
Top:
  rectangle net VIN_P: 193.55,1250 410,1330
  rectangle net +3.3V: 587.65,1260 674,1368
  rectangle net VIN: 175,1360 264,1480
  rectangle net SW: 421.14,1260 544.35,1330
  pour cut-out: 265,670 265,675 335,675 335,670
  pour cut-out: 135,0 135,675 130,675 130,0
  pour cut-out: 652,287 652,285 652.13,0 657,0 657,287
  pour cut-out: 552,287 552,292 657,292 657,287
  pour cut-out: 552,440 552,292 557,292 557,440
  pour cut-out: 330,440 557,440 557,445 330,445
  pour cut-out: 330,670 335,670 335,445 330,445
  pour cut-out: 135,670 250,670 250,675 135,675
  pour cut-out: 391,1431.72 391,1396.15 398.87,1396.15 398.87,1425.54 398.87,1396.15 398.87,1431.72
  pour cut-out: 444.16,1345.44 448.31,1341.29 462.28,1341.29 462.28,1336.39 457.89,1332 445,1332
  pour cut-out: 46.21,946.88 46.21,923.12 77.79,923.12 77.79,946.88
  pour cut-out: 46.21,246.88 46.21,223.12 77.79,223.12 77.79,246.88
  pour cut-out: 483.15,1203.94 483.15,1137.32 485.92,1134.54 489.84,1134.54 489.84,1203.94
  pour cut-out: 433.15,1203.94 433.15,1125.2 439.84,1125.2 439.84,1203.94
  pour cut-out: 220.55,1077.17 220.55,1070.47 161.86,1070.47 159.09,1073.25 159.09,1077.17
  pour cut-out: 220.55,1027.17 161.86,1027.17 161.86,1023.25 159.09,1020.47 220.55,1020.47
  pour cut-out: 220.55,727.17 220.55,720.47 151.16,720.47 151.16,724.39 153.93,727.17
  pour cut-out: 602.44,577.17 628.56,570.47 681.18,570.47 681.18,577.17
  pour cut-out: 776,846.88 746.21,846.88 746.21,823.12 776,823.12
  pour cut-out: 602.44,1027.17 602.44,1020.47 681.18,1020.47 681.18,1027.17
  pour cut-out: 320.35,1707.95 489.65,1707.95 489.65,1747 320.35,1747
Mid1-Ver:
  pour cut-out: 36.88,1017.73 36.88,1049.85 37.03,1050 42.94,1044.1 81.51,1044.1 81.51,1033.96 72.45,1024.9
  pour cut-out: 36.88,1352.27 36.88,1317.73 87.12,1317.73 87.12,1352.27
  pour cut-out: 36.88,1452.27 36.88,1417.73 87.12,1417.73 87.12,1452.27
  pour cut-out: 777.79,1546.88 777.79,1523.12 746.21,1523.12 759.15,1536.06 759.15,1544.1
  pour cut-out: 777.79,1446.88 777.79,1423.12 746.21,1423.12 746.21,1446.88
  pour cut-out: 777.79,1346.88 777.27,1346.36 777.27,1320 746.01,1320 746.21,1320.2 746.21,1346.88
Bottom:
  pour cut-out: 130,0 135,0 135,675 130,675
  pour cut-out: 652,287 657,287 657,0 652,0
  pour cut-out: 552,287 552,292 657,292 657,287
  pour cut-out: 557,439.97 552,439.97 552,291.5 557,291.5
  pour cut-out: 330,440 330,445 557,445 557,440
  pour cut-out: 335,670 330,670 330,445 335,445
  pour cut-out: 135,670 135,675 335,675 335,670
  pour cut-out: 777.79,546.88 777.79,523.12 746.21,523.12 746.21,546.88
  pour cut-out: 543.56,775.36 543.56,768.58 542.33,767.35 544.6,765.08 547.81,765.08 547.81,771.87 549.04,773.09
  pour cut-out: 777.79,346.88 777.79,323.12 746.21,323.12
  pour cut-out: 777.79,323.12 746.21,323.12 777.79,323.12
  pour cut-out: 777.79,246.88 777.79,223.12 746.21,223.12 746.21,246.88
  pour cut-out: 787.12,152.27 787.26,152.13 787.26,120 752.55,120 753.77,121.22 753.77,150.98
  pour cut-out: 46.21,1346.88 46.21,1323.12 77.79,1323.12 77.79,1346.88
GND Plane (plane layer: these items are gaps in the copper):
  lines w5: 133,10 133,673 333,673 333,442 555,442 555,289 655,289 655,10

## Silkscreen, mask and mechanical layers (free items; w line width, h text height)
Silkscreen Top:
  region: 328.65,510.07 ccw(c425.26,510.07) 328.65,510.21 ccw(c332.88,510.2) 328.65,510.2 ccw(c332.88,510.2) 337.1,510.2 cw(c425.26,510.07) 337.1,510.07 ccw(c332.88,510.07)
  region: 429.41,464.65 429.41,445.04 421,445.04 421,465.94
  region: 425.06,578.16 437.59,556.97 429.36,553.35 429.36,546 421.02,547.01 421.02,553.37 412.99,556.79
  region: 376.73,540.68 397.92,553.2 401.54,544.98 402.52,544.98 401.52,536.64 398.1,528.6
  region: 402.47,544.96 411.15,544.67 422.42,543.65 427.9,542.91 437.25,541.11 442.37,539.8 448.84,537.57 453.03,535.42 455.24,534.01 456.79,532.79 458.46,531.19 459.54,529.59 460.44,528.15 460.96,526.74 461.3,525.3 461.43,523.93 461.43,522.33 461.25,521.2 460.65,519.38 459.95,517.8 458.87,516.33 457.08,514.42 455.37,513 453.35,511.6 450.24,509.97 446.79,508.37 442.79,506.82 438.85,505.51 435.17,504.36 431.55,503.37 431.55,512.14 437.05,513.7 442.25,515.5 446.54,517.33 449.87,519.11 451.18,520.17 452.44,521.56 452.89,522.48 453.07,523.37 453.07,524.34 452.56,525.33 451.63,526.36 450.41,527.35 449.08,528.19 447.32,529.09 445.27,529.97 443.52,530.58 441.6,531.26 439.08,531.93 436.19,532.74 432.07,533.62 427.74,534.39 423.55,535 417.78,535.65 410.7,536.35 401.55,536.85
  region: 429.41,530.78 429.41,479.84 421,481.12 421,532.07
  region: 453.97,466.68 441.62,467.03 430.86,467.92 422.53,469.04 413.18,470.84 408.06,472.15 401.59,474.38 397.4,476.53 395.19,477.94 393.65,479.16 391.97,480.76 390.9,482.36 390,483.8 389.48,485.22 389.13,486.65 389.01,488.02 389.01,489.62 389.19,490.75 389.78,492.57 390.48,494.15 391.56,495.62 393.36,497.53 395.07,498.95 397.08,500.35 400.19,501.99 403.64,503.58 407.65,505.13 411.58,506.44 415.27,507.59 418.88,508.58 418.88,499.81 413.38,498.25 408.19,496.45 403.89,494.62 400.57,492.84 399.25,491.78 398,490.39 397.55,489.47 397.37,488.58 397.37,487.61 397.87,486.62 398.8,485.59 400.03,484.6 401.36,483.76 403.12,482.86 405.17,481.98 406.91,481.37 408.83,480.69 411.35,480.02 414.24,479.21 418.36,478.33 422.69,477.56 426.88,476.95 432.65,476.3 439.73,475.6 453.97,474.93
  text "2" at 297.28,5 h98.43 r90
  text "1" at 622.28,5 h98.43 r90
Silkscreen Bottom:
  text "G19" at 704.01,1668.92 h60
  text "GND" at 241.05,1664.86 h60
  text "G18" at 704.01,1568.92 h60
  text "GND" at 241.05,1564.86 h60
  text "VAUX" at 704.01,1468.92 h60
  text "GND" at 241.05,1464.86 h60
  text "G17" at 704.01,1368.92 h60
  text "G20" at 225,1364.86 h60
  text "G16" at 704.01,1268.92 h60
  text "PPS2" at 255.9,1264.86 h60
  text "D_P" at 219.9,1070.71 h60
  text "+3.3V" at 704.01,1068.92 h60
  text "D_N" at 222.75,970.71 h60
  text "GND" at 704.01,968.92 h60
  text "PPS1" at 704.01,868.89 h60
  text "VBAT" at 268.05,864.86 h60
  text "G3" at 704.01,768.92 h60
  text "G1" at 187.4,764.86 h60
  text "G4" at 709.28,668.64 h60
  text "G2" at 194.65,665.24 h60
  text "G10" at 704.28,568.37 h60
  text "G6" at 194.3,565.62 h60
  text "G11" at 704.28,468.09 h60
  text "G7" at 195.7,466 h60
  text "G12" at 704.28,367.82 h60
  text "G8" at 194.7,366.38 h60
  text "G13" at 704.28,267.55 h60
  text "G5" at 194.75,266.76 h60
  text "G9" at 195.4,167.13 h60
  text "G10" at 704.28,167.27 h60
  text "IK-1.0.0" at 555.06,142.6 h65
  text "RST" at 704.28,67.27 h60
  text "GND" at 241.05,64.86 h60
Dimensions:
  drawing of 331 lines, arcs and shapes, not listed
  text "Layer" at 2237.02,770.56 h60
  text "Name" at 2646.93,770.56 h60
  text "Material" at 3816.6,770.56 h60
  text "Thickness" at 4676.37,770.56 h60
  text "Constant" at 5326.2,770.56 h60
  text "Board Layer Stack" at 5896.06,770.56 h60
  text "Silkscreen Top" at 2646.93,650.56 h60
  text "Solder Mask Top" at 2646.93,530.56 h60
  text "Solder Resist" at 3816.6,530.56 h60
  text "0.40mil" at 4676.37,530.56 h60
  text "3.5" at 5326.2,530.56 h60
  text "1" at 2237.02,410.56 h60
  text "Top" at 2646.93,410.56 h60
  text "2.10mil" at 4676.37,410.56 h60
  text "Dielectric1" at 2646.93,290.56 h60
  text "PP-006" at 3816.6,290.56 h60
  text "8.00mil" at 4676.37,290.56 h60
  text "4.1" at 5326.2,290.56 h60
  text "2" at 2237.02,170.56 h60
  text "GND Plane" at 2646.93,170.56 h60
  text "0.70mil" at 4676.37,170.56 h60
  text "Dielectric3" at 2646.93,50.56 h60
  text "Core-009" at 3816.6,50.56 h60
  text "40.00mil" at 4676.37,50.56 h60
  text "4.5" at 5326.2,50.56 h60
  text "3" at 2237.02,-69.44 h60
  text "Mid1-Ver" at 2646.93,-69.44 h60
  text "0.70mil" at 4676.37,-69.44 h60
  text "Dielectric2" at 2646.93,-189.44 h60
  text "PP-006" at 3816.6,-189.44 h60
  text "8.00mil" at 4676.37,-189.44 h60
  text "4.1" at 5326.2,-189.44 h60
  text "4" at 2237.02,-309.44 h60
  text "Bottom" at 2646.93,-309.44 h60
  text "2.10mil" at 4676.37,-309.44 h60
  text "Solder Mask Bottom" at 2646.93,-429.44 h60
  text "Solder Resist" at 3816.6,-429.44 h60
  text "0.40mil" at 4676.37,-429.44 h60
  text "3.5" at 5326.2,-429.44 h60
  text "Silkscreen Bottom" at 2646.93,-549.44 h60
Drill Drawing:
  circle w5: c-98.26,-1066.91 r19.44
  lines w5: -152.32,-1375.1 2097.08,-1375.1 ; -152.32,-1025.1 2097.08,-1025.1 ; 166.35,-1462.6 166.35,-937.6 ; 570.75,-1462.6 570.75,-937.6 ; 1353.01,-1462.6 1353.01,-937.6 ; 1645.44,-1462.6 1645.44,-937.6 ; -152.32,-1462.6 2097.08,-1462.6 2097.08,-937.6 -152.32,-937.6 -152.32,-1462.6 ; -117.7,-1348.85 -78.82,-1348.85 -78.82,-1309.96 -117.7,-1309.96 -117.7,-1348.85 ; -117.7,-1251.63 -107.98,-1251.63 -98.26,-1261.35 -88.54,-1251.63 -78.82,-1251.63 -88.54,-1241.91 -78.82,-1232.19 -88.54,-1232.19 -98.26,-1222.46 -107.98,-1232.19 -117.7,-1232.19 -107.98,-1241.91 -117.7,-1251.63 ; -117.7,-1134.96 -78.82,-1134.96 -98.26,-1173.85 -117.7,-1134.96
  text "Symbol" at -99.82,-998.85 h42
  text "Hit Count" at 192.6,-998.85 h42
  text "Finished Hole Size" at 597,-998.85 h42
  text "Plated" at 1379.26,-998.85 h42
  text "Hole Type" at 1671.69,-998.85 h42
  text "2" at 192.6,-1086.35 h35
  text "19.69mil (0.500mm)" at 597,-1086.35 h35
  text "PTH" at 1379.26,-1086.35 h35
  text "Slot" at 1671.69,-1086.35 h35
  text "2" at 192.6,-1173.85 h35
  text "33.47mil (0.850mm)" at 597,-1173.85 h35
  text "PTH" at 1379.26,-1173.85 h35
  text "Round" at 1671.69,-1173.85 h35
  text "32" at 192.6,-1261.35 h35
  text "40.00mil (1.016mm)" at 597,-1261.35 h35
  text "PTH" at 1379.26,-1261.35 h35
  text "Round" at 1671.69,-1261.35 h35
  text "190" at 192.6,-1348.85 h35
  text "8.00mil (0.203mm)" at 597,-1348.85 h35
  text "PTH" at 1379.26,-1348.85 h35
  text "Round" at 1671.69,-1348.85 h35
  text "226 Total" at 192.6,-1436.35 h35
  text "Slot definitions :" at -99.82,-1519.26 h35
  text "Routed Path Length" at 500.25,-1519.26 h35
  text "= Calculated from tool start centre position to tool end centre position." at 1141.14,-1519.26 h35
  text "Hole Length" at 500.25,-1575.91 h35
  text "= Routed Path Length + Tool Size = Slot length as defined in the PCB layout" at 902.05,-1575.91 h35
Board Outline:
  the board outline again, w5

## Text inside footprints (layer, text, board x,y; h text height)
H1: Silkscreen Top "6" at 124,1070 h40; Silkscreen Top "11" at 147,565 h40 r90; Silkscreen Top "16" at 131,60 h40; Silkscreen Bottom "11" at 165,530 h40; Silkscreen Bottom "16" at 166,25 h40; Silkscreen Bottom "6" at 145,1125 h40
H2: Silkscreen Top "1" at 130,1701 h40; Silkscreen Top "5" at 130,1245 h40; Silkscreen Bottom "1" at 150,1720 h40; Silkscreen Bottom "5" at 152,1230 h40
H3: Silkscreen Top "22" at 701,565 h40 r90; Silkscreen Top "17" at 650,60 h40; Silkscreen Top "27" at 685.5,1161.67 h40; Silkscreen Bottom "22" at 694,530 h40; Silkscreen Bottom "17" at 696,25 h40; Silkscreen Bottom "27" at 691,1125 h40
H4: Silkscreen Top "32" at 650,1700 h40; Silkscreen Top "28" at 650,1245 h40; Silkscreen Bottom "32" at 695,1720 h40; Silkscreen Bottom "28" at 689,1230 h40
U2: Silkscreen Top "1" at 225.43,1135.32 h40; Silkscreen Top "16" at 225.43,385.32 h40; Silkscreen Top "17" at 560.43,385.32 h40; Silkscreen Top "32" at 560.43,1135.32 h40